# KiCad board Decent800-M.kicad_pcb
title: Decent800 keyboard; date: 2025-05-28; rev: 3M
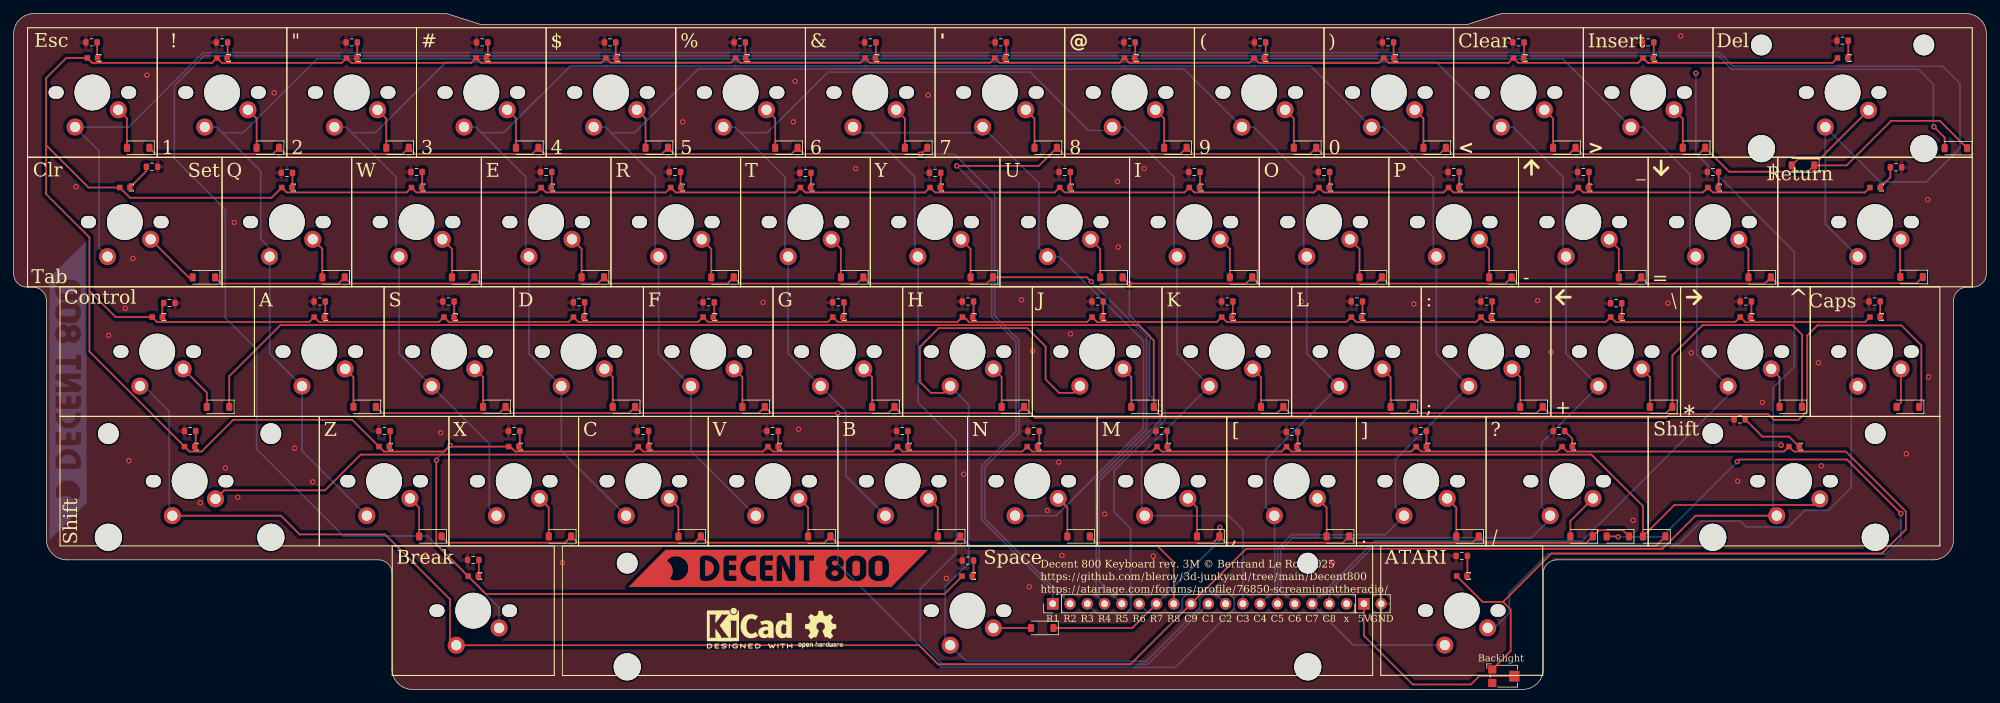
[diagram p0: board, top side]
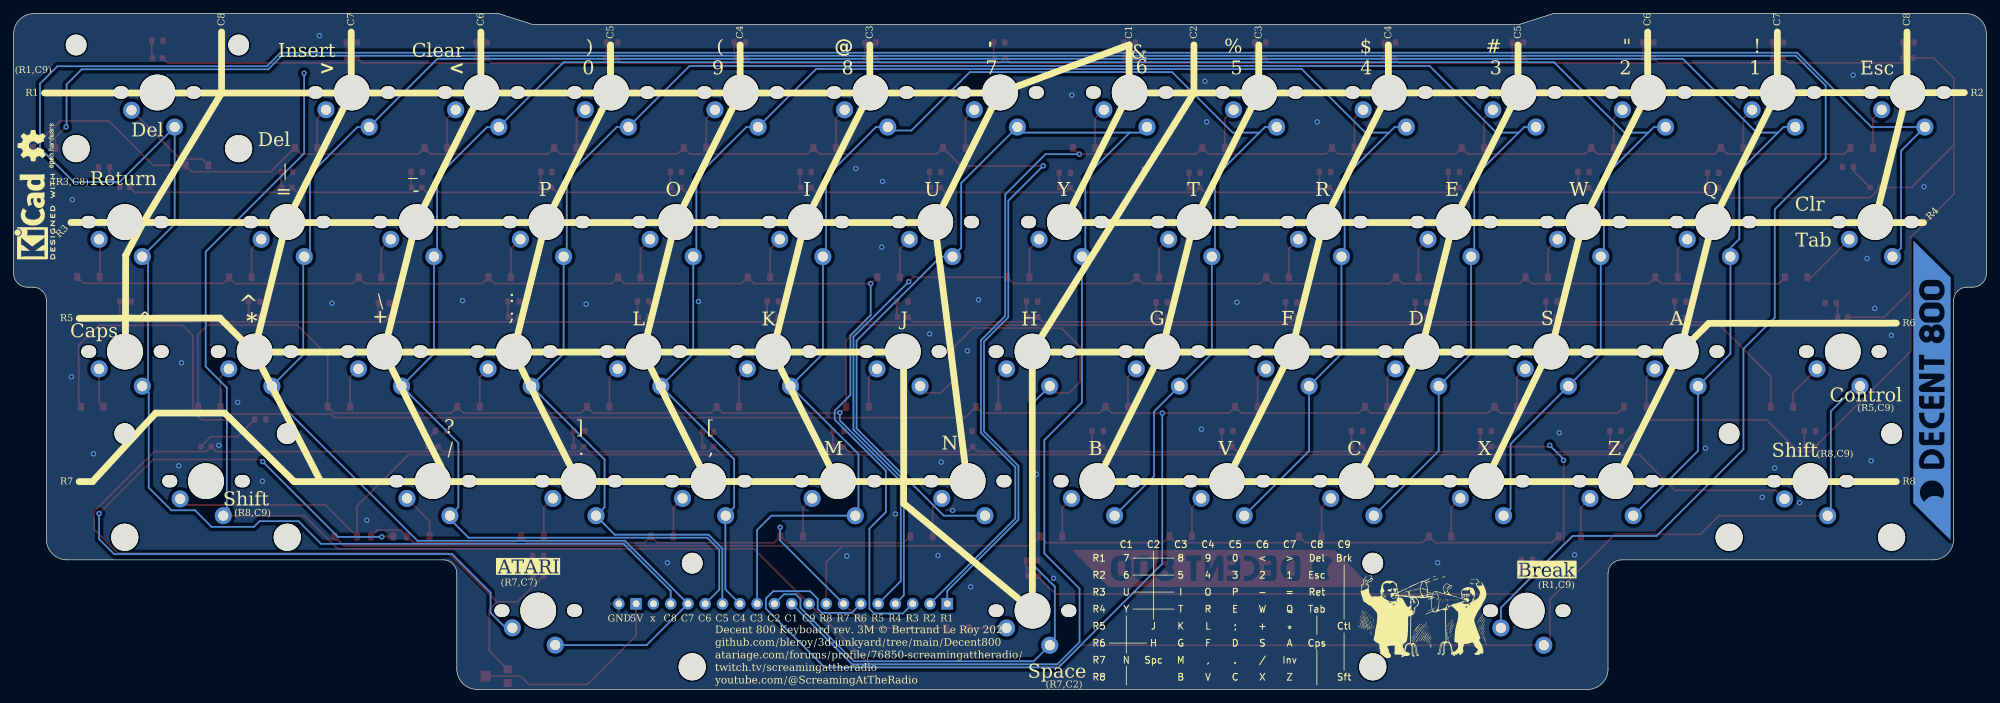
[diagram p1: board, bottom side, seen from below]

Outline 289.88 x 99.38 mm; copper layers: Top, Bottom. Coordinates in mm from the lower left corner of the outline.
Outline path: 0,96.38 0,61.15 arc(0.59,59.74) 2,59.15 2.83,59.15 arc(4.24,58.56) 4.83,57.15 4.83,22.05 arc(5.7,19.93) 7.83,19.05 53.59,19.05 arc(55.01,18.46) 55.59,17.05 55.59,3 arc(56.47,0.88) 58.59,0 221.76,0 arc(223.88,0.88) 224.76,3 224.76,17.05 arc(225.34,18.46) 226.76,19.05 282.05,19.05 arc(284.17,19.93) 285.05,22.05 285.05,57.15 arc(285.64,58.56) 287.05,59.15 287.88,59.15 arc(289.29,59.74) 289.88,61.15 289.88,96.38 arc(289,98.5) 286.88,99.38 218.59,99.38 213.59,97.78 68.65,97.78 63.65,99.38 3,99.38 arc(0.88,98.5) 0,96.38

## Placement (name value [footprint] x y rotation side)
D1  1N4148W  [D_SOD-123]  285.39 79.6 180 top
D2  1N4148W  [D_SOD-123]  30.04 41.55 180 top
D3  1N4148W  [D_SOD-123]  241.07 22.5 180 top
D5  1N4148W  [D_SOD-123]  151.66 79.65 180 top
D6  1N4148W  [D_SOD-123]  132.61 79.65 180 top
D7  1N4148W  [D_SOD-123]  161.31 60.6 180 top
D8  1N4148W  [D_SOD-123]  142.26 60.6 180 top
D10  1N4148W  [D_SOD-123]  156.48 22.5 180 top
D12  1N4148W  [D_SOD-123]  165.88 41.55 180 top
D13  1N4148W  [D_SOD-123]  146.83 41.55 180 top
D14  1N4148W  [D_SOD-123]  151.15 9.04 180 top
D15  1N4148W  [D_SOD-123]  170.71 79.65 180 top
D16  1N4148W  [D_SOD-123]  113.56 79.65 180 top
D17  1N4148W  [D_SOD-123]  180.36 60.6 180 top
D18  1N4148W  [D_SOD-123]  123.21 60.6 180 top
D19  1N4148W  [D_SOD-123]  184.93 41.55 180 top
D20  1N4148W  [D_SOD-123]  127.78 41.55 180 top
D21  1N4148W  [D_SOD-123]  175.53 22.5 180 top
D22  1N4148W  [D_SOD-123]  137.43 22.5 180 top
D24  1N4148W  [D_SOD-123]  189.76 79.65 180 top
D25  1N4148W  [D_SOD-123]  94.51 79.65 180 top
D26  1N4148W  [D_SOD-123]  199.41 60.6 180 top
D27  1N4148W  [D_SOD-123]  104.16 60.6 180 top
D28  1N4148W  [D_SOD-123]  203.98 41.55 180 top
D29  1N4148W  [D_SOD-123]  108.73 41.55 180 top
D30  1N4148W  [D_SOD-123]  194.58 22.5 180 top
D31  1N4148W  [D_SOD-123]  118.38 22.5 180 top
D32  1N4148W  [D_SOD-123]  208.81 79.65 180 top
D33  1N4148W  [D_SOD-123]  75.46 79.65 180 top
D34  1N4148W  [D_SOD-123]  218.46 60.6 180 top
D35  1N4148W  [D_SOD-123]  85.11 60.6 180 top
D36  1N4148W  [D_SOD-123]  223.03 41.55 180 top
D37  1N4148W  [D_SOD-123]  89.68 41.55 180 top
D38  1N4148W  [D_SOD-123]  213.63 22.5 180 top
D39  1N4148W  [D_SOD-123]  99.33 22.5 180 top
D41  1N4148W  [D_SOD-123]  227.86 79.65 180 top
D42  1N4148W  [D_SOD-123]  56.41 79.65 180 top
D43  1N4148W  [D_SOD-123]  237.51 60.6 180 top
D44  1N4148W  [D_SOD-123]  66.06 60.6 180 top
D45  1N4148W  [D_SOD-123]  242.08 41.55 180 top
D46  1N4148W  [D_SOD-123]  70.63 41.55 180 top
D47  1N4148W  [D_SOD-123]  230.4 22.5 180 top
D48  1N4148W  [D_SOD-123]  80.28 22.5 180 top
D49  1N4148W  [D_SOD-123]  246.91 79.65 180 top
D50  1N4148W  [D_SOD-123]  37.36 79.65 180 top
D51  1N4148W  [D_SOD-123]  256.56 60.6 180 top
D52  1N4148W  [D_SOD-123]  47.01 60.6 180 top
D53  1N4148W  [D_SOD-123]  261.13 41.55 180 top
D54  1N4148W  [D_SOD-123]  51.58 41.55 180 top
D55  1N4148W  [D_SOD-123]  235.73 22.5 180 top
D56  1N4148W  [D_SOD-123]  61.23 22.5 180 top
D57  1N4148W  [D_SOD-123]  262.94 77.06 180 top
D58  1N4148W  [D_SOD-123]  18.31 79.65 180 top
D59  1N4148W  [D_SOD-123]  278.88 60.65 180 top
D60  1N4148W  [D_SOD-123]  27.96 60.6 180 top
D62  1N4148W  [D_SOD-123]  278.34 41.55 180 top
Decent800  -  [LOGO]  112.33 17.8 0 top
Decent800#2  -  [LOGO]  8 43.94 90 bottom
J1  Conn_01x02_Pin  [PinHeader_1x02_P2.54mm_Vertical]  198.41 12.59 90 top
J2  Conn_01x18  [PinHeader_1x18_P2.54mm_Vertical]  152.69 12.59 90 top
R2  100  [R_0603_1608Metric]  67.54 19.04 180 top
R3  100  [R_0603_1608Metric]  22.89 56.82 0 top
R4  100  [R_0603_1608Metric]  25.93 37.99 180 top
R5  100  [R_0603_1608Metric]  253.62 39.7 180 top
R6  100  [R_0603_1608Metric]  268.75 95.4 180 top
R7  100  [R_0603_1608Metric]  145.05 95.14 180 top
R8  100  [R_0603_1608Metric]  125.88 95.14 180 top
R9  100  [R_0603_1608Metric]  154.45 76.09 180 top
R10  100  [R_0603_1608Metric]  135.4 75.97 180 top
R11  100  [R_0603_1608Metric]  212.79 19.63 180 top
R12  100  [R_0603_1608Metric]  149.88 37.99 180 top
R14  100  [R_0603_1608Metric]  159.28 57.04 180 top
R15  100  [R_0603_1608Metric]  140.23 57.04 180 top
R16  100  [R_0603_1608Metric]  140.23 18.94 180 top
R17  100  [R_0603_1608Metric]  163.98 95.14 180 top
R18  100  [R_0603_1608Metric]  106.7 95.14 180 top
R19  100  [R_0603_1608Metric]  173.5 76.09 180 top
R20  100  [R_0603_1608Metric]  116.35 75.97 180 top
R21  100  [R_0603_1608Metric]  178.33 57.04 180 top
R22  100  [R_0603_1608Metric]  121.18 56.91 180 top
R23  100  [R_0603_1608Metric]  168.68 37.99 180 top
R24  100  [R_0603_1608Metric]  130.58 37.99 180 top
R25  100  [R_0603_1608Metric]  183.15 95.14 180 top
R26  100  [R_0603_1608Metric]  87.65 95.14 180 top
R27  100  [R_0603_1608Metric]  192.55 76.09 180 top
R28  100  [R_0603_1608Metric]  97.18 76.09 180 top
R29  100  [R_0603_1608Metric]  197.38 57.04 180 top
R30  100  [R_0603_1608Metric]  102.13 56.91 180 top
R31  100  [R_0603_1608Metric]  187.85 37.86 180 top
R32  100  [R_0603_1608Metric]  111.53 37.99 180 top
R33  100  [R_0603_1608Metric]  201.95 95.14 180 top
R34  100  [R_0603_1608Metric]  68.85 95.14 180 top
R35  100  [R_0603_1608Metric]  211.6 76.09 180 top
R36  100  [R_0603_1608Metric]  78.25 76.09 180 top
R37  100  [R_0603_1608Metric]  216.43 57.04 180 top
R38  100  [R_0603_1608Metric]  83.08 56.91 180 top
R39  100  [R_0603_1608Metric]  206.78 37.99 180 top
R40  100  [R_0603_1608Metric]  92.48 37.99 180 top
R42  100  [R_0603_1608Metric]  221.13 95.14 180 top
R43  100  [R_0603_1608Metric]  49.68 95.14 180 top
R44  100  [R_0603_1608Metric]  230.65 76.09 180 top
R45  100  [R_0603_1608Metric]  59.2 76.09 180 top
R46  100  [R_0603_1608Metric]  235.48 56.79 180 top
R47  100  [R_0603_1608Metric]  63.9 57.04 180 top
R48  100  [R_0603_1608Metric]  227.08 37.99 180 top
R49  100  [R_0603_1608Metric]  73.55 37.99 180 top
R50  100  [R_0603_1608Metric]  240.18 95.14 180 top
R51  100  [R_0603_1608Metric]  30.63 95.14 180 top
R52  100  [R_0603_1608Metric]  249.7 76.09 180 top
R53  100  [R_0603_1608Metric]  40.15 75.97 180 top
R54  100  [R_0603_1608Metric]  254.53 57.04 180 top
R55  100  [R_0603_1608Metric]  44.98 57.04 180 top
R57  100  [R_0603_1608Metric]  54.5 37.99 180 top
R60  100  [R_0603_1608Metric]  11.45 95.14 180 top
R61  100  [R_0603_1608Metric]  276.6 76.78 0 top
R62  100  [R_0603_1608Metric]  20.34 76.85 0 top
R64  100  [R_0603_1608Metric]  273.45 57.04 180 top
REF**  -  [Arrow]  242.08 76.73 270 top
REF**#2  -  [KiCad-Logo2_5mm_SilkScreen]  108.15 9.01 0 top
REF**#3  -  [OSHW-Logo2_7.3x6mm_SilkScreen]  118.59 8.78 0 top
REF**#4  -  [Arrow]  227.73 57.68 180 top
REF**#5  -  [Arrow]  223.03 76.73 90 top
REF**#6  -  [Arrow]  246.91 57.68 0 top
REF**#7  -  [OSHW-Logo2_7.3x6mm_SilkScreen]  286.54 79.97 90 bottom
REF**#8  -  [Atari800_Matrix]  112.16 10.81 180 bottom
REF**#9  -  [KiCad-Logo2_5mm_SilkScreen]  286.77 69.53 90 bottom
RV1  R_Potentiometer  [Potentiometer_Bourns_TC33X_Vertical]  219.07 1.95 0 top
ScreamingAtTheRadio  -  [LOGO]  82.94 10.68 180 bottom
SW0  blue  [1U-LED]  202.08 92.86 0 top
SW1  blue  [1U-LED]  30.63 92.86 0 top
SW2  blue  [1U-LED]  49.68 92.86 0 top
SW3  blue  [1U-LED]  68.73 92.86 0 top
SW4  blue  [1U-LED]  87.78 92.86 0 top
SW5  blue  [1U-LED]  106.83 92.86 0 top
SW6  blue  [1U-LED]  125.88 92.86 0 top
SW7  blue  [1U-LED]  144.93 92.86 0 top
SW8  blue  [1U-LED]  163.98 92.86 0 top
SW9  blue  [1U-LED]  183.03 92.86 0 top
SWA1  blue  [1U-LED]  44.91 54.76 0 top
SWAtari2  blue  [1-25U-LED]  212.79 16.68 0 top
SWB1  blue  [1U-LED]  130.64 35.71 0 top
SWBrk2  blue  [1-25U-LED]  67.54 16.66 0 top
SWC1  blue  [1U-LED]  92.54 35.71 0 top
SWComma1  blue  [1U-LED]  187.79 35.71 0 top
SWCps1  blue  [1U-LED]  273.51 54.76 0 top
SWCtl1  blue  [1-50U-LED]  21.1 54.76 0 top
SWD1  blue  [1U-LED]  83.01 54.76 0 top
SWDash1  blue  [1U-LED]  230.65 73.81 0 top
SWDel2  blue  [2-00U-LED]  268.75 92.86 0 top
SWE1  blue  [1U-LED]  78.25 73.81 0 top
SWEqual1  blue  [1U-LED]  249.7 73.81 0 top
SWEsc1  blue  [1U-LED]  11.58 92.86 0 top
SWF1  blue  [1U-LED]  102.06 54.76 0 top
SWG1  blue  [1U-LED]  121.11 54.76 0 top
SWGT1  blue  [1U-LED]  240.18 92.86 0 top
SWH1  blue  [1U-LED]  140.16 54.76 0 top
SWI1  blue  [1U-LED]  173.5 73.81 0 top
SWJ1  blue  [1U-LED]  159.21 54.76 0 top
SWK1  blue  [1U-LED]  178.26 54.76 0 top
SWL1  blue  [1U-LED]  197.31 54.76 0 top
SWLeftSft1  blue  [2-00U-LED]  25.86 35.71 0 top
SWLT1  blue  [1U-LED]  221.13 92.86 0 top
SWM1  blue  [1U-LED]  168.74 35.71 0 top
SWN1  blue  [1U-LED]  149.69 35.71 0 top
SWO1  blue  [1U-LED]  192.55 73.81 0 top
SWP1  blue  [1U-LED]  211.6 73.81 0 top
SWPeriod1  blue  [1U-LED]  206.84 35.71 0 top
SWPlus1  blue  [1U-LED]  235.41 54.76 0 top
SWQ1  blue  [1U-LED]  40.15 73.81 0 top
SWR1  blue  [1U-LED]  97.3 73.81 0 top
SWRet1  blue  [1-50U-LED]  273.51 73.81 0 top
SWRightSft1  blue  [2-25U-LED]  261.61 35.71 0 top
SWS1  blue  [1U-LED]  63.96 54.76 0 top
SWSemi1  blue  [1U-LED]  216.36 54.76 0 top
SWSlash1  blue  [1-25U-LED]  228.27 35.71 0 top
SWSpc1  blue  [6-25U-LED]  140.16 16.66 0 top
SWStar1  blue  [1U-LED]  254.46 54.76 0 top
SWT1  blue  [1U-LED]  116.35 73.81 0 top
SWTab1  blue  [1-50U-LED]  16.34 73.81 0 top
SWU1  blue  [1U-LED]  154.45 73.81 0 top
SWV1  blue  [1U-LED]  111.59 35.71 0 top
SWW1  blue  [1U-LED]  59.2 73.81 0 top
SWX1  blue  [1U-LED]  73.49 35.71 0 top
SWY1  blue  [1U-LED]  135.4 73.81 0 top
SWZ1  blue  [1U-LED]  54.44 35.71 0 top

## Library data of the parts
D1-D3 D5-D8 D10 D12-D22 D24-D39 D41-D60 D62 = -: Datasheet: https://www.vishay.com/docs/85748/1n4148w.pdf; JLCPCB Part #: C81598; ki_fp_filters: D*SOD?123*
J1 J2 = -: ki_fp_filters: Connector*:*_1x??_*
R2-R12 R14-R40 R42-R55 R57 R60-R62 R64 = -: JLCPCB Part #: C22775; ki_fp_filters: R_*
RV1 = -: JLCPCB Part #: C719174; JLCPCB Rotation Offset: 270; ki_fp_filters: Potentiometer*
SW0-SW9 SWA1 SWAtari2 SWB1 SWBrk2 SWC1 SWComma1 SWCps1 SWCtl1 SWD1 SWDash1 SWDel2 SWE1 SWEqual1 SWEsc1 SWF1 SWG1 SWGT1 SWH1 SWI1 SWJ1 SWK1 SWL1 SWLeftSft1 SWLT1 SWM1 SWN1 SWO1 SWP1 SWPeriod1 SWPlus1 SWQ1 SWR1 SWRet1 SWRightSft1 SWS1 SWSemi1 SWSlash1 SWSpc1 SWStar1 SWT1 SWTab1 SWU1 SWV1 SWW1 SWX1 SWY1 SWZ1 = -: JLCPCB Part #: C19171394; JLCPCB Rotation Offset: 180

## Footprints (pads in the part's own frame, mm; a bottom-side part is the same pattern mirrored in y, then rotated)
1-25U-LED
  oval 2.2x1.8 hole 2.2x1.8 unplated: (-5.33,-5.08) (5.33,-5.08)
  round 5.25 hole 5.25 unplated: (0,-5.08)
  round 2.5 hole 1.499: 1(-2.5,-10.16) 2(3.8,-7.62)
  rect 0.8x0.8 smd: 3(0.75,0) 4(-0.75,0)
1-50U-LED
  oval 2.2x1.8 hole 2.2x1.8 unplated: (-5.33,-5.08) (5.33,-5.08)
  round 5.25 hole 5.25 unplated: (0,-5.08)
  round 2.5 hole 1.499: 1(-2.54,-10.16) 2(3.8,-7.62)
  rect 0.8x0.8 smd: 3(0.75,0) 4(-0.75,0)
1U-LED
  oval 2.2x1.8 hole 2.2x1.8 unplated: (-5.33,-5.08) (5.33,-5.08)
  round 5.25 hole 5.25 unplated: (0,-5.08)
  round 2.5 hole 1.499: 1(-2.54,-10.16) 2(3.8,-7.62)
  rect 0.8x0.8 smd: 3(0.75,0) 4(-0.75,0)
2-00U-LED
  round 3.048 hole 3.048 unplated: (-11.938,1.905) (11.938,1.905)
  round 3.988 hole 3.988 unplated: (-11.938,-13.335) (11.938,-13.335)
  oval 2.2x1.8 hole 2.2x1.8 unplated: (-5.33,-5.08) (5.33,-5.08)
  round 5.25 hole 5.25 unplated: (0,-5.08)
  round 2.5 hole 1.499: 1(-2.54,-10.16) 2(3.8,-7.69)
  rect 0.8x0.8 smd: 3(0.75,0) 4(-0.75,0)
2-25U-LED
  round 3.048 hole 3.048 unplated: (-11.938,1.905) (11.938,1.905)
  round 3.988 hole 3.988 unplated: (-11.938,-13.335) (11.938,-13.335)
  oval 2.2x1.8 hole 2.2x1.8 unplated: (-5.33,-5.08) (5.33,-5.08)
  round 5.25 hole 5.25 unplated: (0,-5.08)
  round 2.5 hole 1.499: 1(-2.54,-10.16) 2(3.8,-7.69)
  rect 0.8x0.8 smd: 3(0.75,0) 4(-0.75,0)
6-25U-LED
  round 3.048 hole 3.048 unplated: (-50,1.905) (50,1.905)
  round 3.988 hole 3.988 unplated: (-50,-13.335) (50,-13.335)
  oval 2.2x1.8 hole 2.2x1.8 unplated: (-5.33,-5.08) (5.33,-5.08)
  round 5.25 hole 5.25 unplated: (0,-5.08)
  round 2.5 hole 1.499: 1(-2.54,-10.16) 2(3.8,-7.62)
  rect 0.8x0.8 smd: 3(0.686,0) 4(-0.814,0)
D_SOD-123
  rrect 0.9x1.2 smd: 1(-1.65,0) 2(1.65,0)
PinHeader_1x02_P2.54mm_Vertical
  rect 1.7x1.7 hole 1: 1(0,0)
  oval 1.7x1.7 hole 1: 2(0,-2.54)
PinHeader_1x18_P2.54mm_Vertical
  rect 1.7x1.7 hole 1: 1(0,0)
  oval 1.7x1.7 hole 1: 2(0,-2.54) 3(0,-5.08) 4(0,-7.62) 5(0,-10.16) 6(0,-12.7) 7(0,-15.24) 8(0,-17.78) 9(0,-20.32) 10(0,-22.86) 11(0,-25.4) 12(0,-27.94) 13(0,-30.48) 14(0,-33.02) 15(0,-35.56) 16(0,-38.1) 17(0,-40.64) 18(0,-43.18)
Potentiometer_Bourns_TC33X_Vertical
  rect 1.2x1.2 smd: 1(-1.8,1) 3(-1.8,-1)
  rect 1.5x1.6 smd: 2(1.45,0)
R_0603_1608Metric
  rrect 0.8x0.95 smd: 1(-0.825,0) 2(0.825,0)

## Nets
5V: J1.1 RV1.2
VCC_LED: RV1.1 SW0.4 SW1.4 SW2.4 SW3.4 SW4.4 SW5.4 SW6.4 SW7.4 SW8.4 SW9.4 SWA1.4 SWAtari2.4 SWB1.4 SWBrk2.4 SWC1.4 SWComma1.4 SWCps1.4 SWCtl1.4 SWD1.4 SWDash1.4 SWDel2.4 SWE1.4 SWEqual1.4 SWEsc1.4 SWF1.4 SWG1.4 SWGT1.4 SWH1.4 SWI1.4 SWJ1.4 SWK1.4 SWL1.4 SWLeftSft1.4 SWLT1.4 SWM1.4 SWN1.4 SWO1.4 SWP1.4 SWPeriod1.4 SWPlus1.4 SWQ1.4 SWR1.4 SWRet1.4 SWRightSft1.4 SWS1.4 SWSemi1.4 SWSlash1.4 SWSpc1.4 SWStar1.4 SWT1.4 SWTab1.4 SWU1.4 SWV1.4 SWW1.4 SWX1.4 SWY1.4 SWZ1.4
COL_1: J2.10 SW6.1 SW7.1 SWN1.1 SWU1.1 SWY1.1
COL_2: J2.11 SWH1.1 SWJ1.1 SWSpc1.1
COL_3: J2.12 SW5.1 SW8.1 SWB1.1 SWG1.1 SWI1.1 SWK1.1 SWM1.1 SWT1.1
COL_4: J2.13 SW4.1 SW9.1 SWComma1.1 SWF1.1 SWL1.1 SWO1.1 SWR1.1 SWV1.1
COL_5: J2.14 SW0.1 SW3.1 SWC1.1 SWD1.1 SWE1.1 SWP1.1 SWPeriod1.1 SWSemi1.1
COL_6: J2.15 SW2.1 SWDash1.1 SWLT1.1 SWPlus1.1 SWS1.1 SWSlash1.1 SWW1.1 SWX1.1
COL_7: J2.16 SW1.1 SWA1.1 SWAtari2.1 SWEqual1.1 SWGT1.1 SWQ1.1 SWStar1.1 SWZ1.1
COL_8: J2.17 SWCps1.1 SWDel2.1 SWEsc1.1 SWRet1.1 SWTab1.1
COL_9: J2.9 SWBrk2.1 SWCtl1.1 SWLeftSft1.1 SWRightSft1.1
LED_GND: J1.2 R2.2 R3.2 R4.2 R5.2 R6.2 R7.2 R8.2 R9.2 R10.2 R11.2 R12.2 R14.2 R15.2 R16.2 R17.2 R18.2 R19.2 R20.2 R21.2 R22.2 R23.2 R24.2 R25.2 R26.2 R27.2 R28.2 R29.2 R30.2 R31.2 R32.2 R33.2 R34.2 R35.2 R36.2 R37.2 R38.2 R39.2 R40.2 R42.2 R43.2 R44.2 R45.2 R46.2 R47.2 R48.2 R49.2 R50.2 R51.2 R52.2 R53.2 R54.2 R55.2 R57.2 R60.2 R61.2 R62.2 R64.2
ROW_1: D1.1 D5.1 D15.1 D24.1 D32.1 D41.1 D49.1 D57.1 J2.1
ROW_2: D6.1 D16.1 D25.1 D33.1 D42.1 D50.1 D58.1 J2.2
ROW_3: D7.1 D17.1 D26.1 D34.1 D43.1 D51.1 D59.1 J2.3
ROW_4: D8.1 D18.1 D27.1 D35.1 D44.1 D52.1 D60.1 J2.4
ROW_5: D2.1 D12.1 D19.1 D28.1 D36.1 D45.1 D53.1 J2.5
ROW_6: D13.1 D20.1 D29.1 D37.1 D46.1 D54.1 D62.1 J2.6
ROW_7: D10.1 D14.1 D21.1 D30.1 D38.1 D47.1 D55.1 J2.7
ROW_8: D3.1 D22.1 D31.1 D39.1 D48.1 D56.1 J2.8
Net-(D1-A): D1.2 SWBrk2.2
Net-(D2-A): D2.2 SWCtl1.2
Net-(D3-A): D3.2 SWLeftSft1.2 SWRightSft1.2
Net-(D5-A): D5.2 SW7.2
Net-(D6-A): D6.2 SW6.2
Net-(D7-A): D7.2 SWU1.2
Net-(D8-A): D8.2 SWY1.2
Net-(D10-A): D10.2 SWN1.2
Net-(D12-A): D12.2 SWJ1.2
Net-(D13-A): D13.2 SWH1.2
Net-(D14-A): D14.2 SWSpc1.2
Net-(D15-A): D15.2 SW8.2
Net-(D16-A): D16.2 SW5.2
Net-(D17-A): D17.2 SWI1.2
Net-(D18-A): D18.2 SWT1.2
Net-(D19-A): D19.2 SWK1.2
Net-(D20-A): D20.2 SWG1.2
Net-(D21-A): D21.2 SWM1.2
Net-(D22-A): D22.2 SWB1.2
Net-(D24-A): D24.2 SW9.2
Net-(D25-A): D25.2 SW4.2
Net-(D26-A): D26.2 SWO1.2
Net-(D27-A): D27.2 SWR1.2
Net-(D28-A): D28.2 SWL1.2
Net-(D29-A): D29.2 SWF1.2
Net-(D30-A): D30.2 SWComma1.2
Net-(D31-A): D31.2 SWV1.2
Net-(D32-A): D32.2 SW0.2
Net-(D33-A): D33.2 SW3.2
Net-(D34-A): D34.2 SWP1.2
Net-(D35-A): D35.2 SWE1.2
Net-(D36-A): D36.2 SWSemi1.2
Net-(D37-A): D37.2 SWD1.2
Net-(D38-A): D38.2 SWPeriod1.2
Net-(D39-A): D39.2 SWC1.2
Net-(D41-A): D41.2 SWLT1.2
Net-(D42-A): D42.2 SW2.2
Net-(D43-A): D43.2 SWDash1.2
Net-(D44-A): D44.2 SWW1.2
Net-(D45-A): D45.2 SWPlus1.2
Net-(D46-A): D46.2 SWS1.2
Net-(D47-A): D47.2 SWSlash1.2
Net-(D48-A): D48.2 SWX1.2
Net-(D49-A): D49.2 SWGT1.2
Net-(D50-A): D50.2 SW1.2
Net-(D51-A): D51.2 SWEqual1.2
Net-(D52-A): D52.2 SWQ1.2
Net-(D53-A): D53.2 SWStar1.2
Net-(D54-A): D54.2 SWA1.2
Net-(D55-A): D55.2 SWAtari2.2
Net-(D56-A): D56.2 SWZ1.2
Net-(D57-A): D57.2 SWDel2.2
Net-(D58-A): D58.2 SWEsc1.2
Net-(D59-A): D59.2 SWRet1.2
Net-(D60-A): D60.2 SWTab1.2
Net-(D62-A): D62.2 SWCps1.2
Net-(R2-Pad1): R2.1 SWBrk2.3
Net-(R3-Pad1): R3.1 SWCtl1.3
Net-(R4-Pad1): R4.1 SWLeftSft1.3
Net-(R5-Pad1): R5.1 SWRightSft1.3
Net-(R6-Pad1): R6.1 SWDel2.3
Net-(R7-Pad1): R7.1 SW7.3
Net-(R8-Pad1): R8.1 SW6.3
Net-(R9-Pad1): R9.1 SWU1.3
Net-(R10-Pad1): R10.1 SWY1.3
Net-(R11-Pad1): R11.1 SWAtari2.3
Net-(R12-Pad1): R12.1 SWN1.3
Net-(R14-Pad1): R14.1 SWJ1.3
Net-(R15-Pad1): R15.1 SWH1.3
Net-(R16-Pad1): R16.1 SWSpc1.3
Net-(R17-Pad1): R17.1 SW8.3
Net-(R18-Pad1): R18.1 SW5.3
Net-(R19-Pad1): R19.1 SWI1.3
Net-(R20-Pad1): R20.1 SWT1.3
Net-(R21-Pad1): R21.1 SWK1.3
Net-(R22-Pad1): R22.1 SWG1.3
Net-(R23-Pad1): R23.1 SWM1.3
Net-(R24-Pad1): R24.1 SWB1.3
Net-(R25-Pad1): R25.1 SW9.3
Net-(R26-Pad1): R26.1 SW4.3
Net-(R27-Pad1): R27.1 SWO1.3
Net-(R28-Pad1): R28.1 SWR1.3
Net-(R29-Pad1): R29.1 SWL1.3
Net-(R30-Pad1): R30.1 SWF1.3
Net-(R31-Pad1): R31.1 SWComma1.3
Net-(R32-Pad1): R32.1 SWV1.3
Net-(R33-Pad1): R33.1 SW0.3
Net-(R34-Pad1): R34.1 SW3.3
Net-(R35-Pad1): R35.1 SWP1.3
Net-(R36-Pad1): R36.1 SWE1.3
Net-(R37-Pad1): R37.1 SWSemi1.3
Net-(R38-Pad1): R38.1 SWD1.3
Net-(R39-Pad1): R39.1 SWPeriod1.3
Net-(R40-Pad1): R40.1 SWC1.3
Net-(R42-Pad1): R42.1 SWLT1.3
Net-(R43-Pad1): R43.1 SW2.3
Net-(R44-Pad1): R44.1 SWDash1.3
Net-(R45-Pad1): R45.1 SWW1.3
Net-(R46-Pad1): R46.1 SWPlus1.3
Net-(R47-Pad1): R47.1 SWS1.3
Net-(R48-Pad1): R48.1 SWSlash1.3
Net-(R49-Pad1): R49.1 SWX1.3
Net-(R50-Pad1): R50.1 SWGT1.3
Net-(R51-Pad1): R51.1 SW1.3
Net-(R52-Pad1): R52.1 SWEqual1.3
Net-(R53-Pad1): R53.1 SWQ1.3
Net-(R54-Pad1): R54.1 SWStar1.3
Net-(R55-Pad1): R55.1 SWA1.3
Net-(R57-Pad1): R57.1 SWZ1.3
Net-(R60-Pad1): R60.1 SWEsc1.3
Net-(R61-Pad1): R61.1 SWRet1.3
Net-(R62-Pad1): R62.1 SWTab1.3
Net-(R64-Pad1): R64.1 SWCps1.3

Pads without a net: J2 18; RV1 3

## Via types
v1: diameter 0.8, hole 0.4, Top to Bottom, 68 vias

## Routing (per net, layer and track width the routed paths; a pad name or vN(x,y) marks a point on that pad's centre or on a via; arc(x,y) is an arc through that point)
5V: length 30.3
  Top w0.25: J1.1 198.41,7.9 205.59,0.73 214.13,0.73 215.35,1.95 RV1.2
VCC_LED: length 1334.3
  Top w0.25: 11.14,58.61 11.14,66.47 4.77,72.84 4.77,80.04 ; 11.14,58.61 14.99,54.76 SWCtl1.4 21.08,54.03 43.44,54.03 SWA1.4 44.89,54.03 62.49,54.03 SWS1.4 63.94,54.03 81.54,54.03 SWD1.4 82.99,54.03 100.59,54.03 SWF1.4 102.04,54.03 119.64,54.03 SWG1.4 121.09,54.03 138.69,54.03 SWH1.4 ; 11.14,58.61 11.14,49.68 SWLeftSft1.4 25.84,34.98 27.62,34.98 32.28,39.64 49.75,39.64 SWZ1.4 54.41,34.98 63.25,34.98 v1(64.16,35.89) 64.34,35.71 SWX1.4 ; 139.41,16.66 136.79,14.04 69.41,14.04 SWBrk2.4 62.11,21.33 62.11,33.66 v1(62.14,33.69) ; SWSlash1.4 228.25,34.98 260.13,34.98 SWRightSft1.4 261.58,34.98 269.22,34.98 278.04,26.16 278.04,23.51 274.53,20 225.98,20 218.85,12.87 ; RV1.1 219.98,5.66 219.98,11.75 218.85,12.87 ; 218.85,12.87 215.85,12.87 SWAtari2.4 ; 227.45,35.71 227.45,35.64 226.79,34.98 206.82,34.98 SWPeriod1.4 205.36,34.98 187.76,34.98 SWComma1.4 186.31,34.98 168.71,34.98 SWM1.4 167.26,34.98 149.66,34.98 SWN1.4 148.21,34.98 130.61,34.98 SWB1.4 129.16,34.98 111.56,34.98 SWV1.4 110.11,34.98 92.51,34.98 SWC1.4 91.06,34.98 73.7,34.98 72.98,35.71 ; 4.77,80.04 11,73.81 SWTab1.4 17.1,72.3 37.89,72.3 SWQ1.4 40.13,73.08 57.73,73.08 SWW1.4 59.18,73.08 76.78,73.08 SWE1.4 78.23,73.08 95.83,73.08 SWR1.4 97.28,73.08 114.88,73.08 SWT1.4 116.33,73.08 133.93,73.08 SWY1.4 135.38,73.08 152.98,73.08 SWU1.4 154.43,73.08 172.03,73.08 SWI1.4 173.48,73.08 191.08,73.08 SWO1.4 192.53,73.08 210.13,73.08 SWP1.4 211.58,73.08 229.18,73.08 SWDash1.4 230.63,73.08 248.23,73.08 SWEqual1.4 249.68,73.08 272.04,73.08 SWRet1.4 ; 4.77,80.04 4.77,89.88 7.75,92.86 SWEsc1.4 11.55,92.13 29.15,92.13 SW1.4 30.6,92.13 48.2,92.13 SW2.4 49.65,92.13 67.25,92.13 SW3.4 68.7,92.13 86.3,92.13 SW4.4 87.75,92.13 105.35,92.13 SW5.4 106.8,92.13 124.4,92.13 SW6.4 125.85,92.13 143.45,92.13 SW7.4 144.9,92.13 162.5,92.13 SW8.4 163.95,92.13 181.55,92.13 SW9.4 183.04,92.09 200.56,92.09 SW0.4 202.05,92.13 219.65,92.13 SWLT1.4 221.1,92.13 238.7,92.13 SWGT1.4 240.15,92.13 267.28,92.13 SWDel2.4 ; SWCps1.4 272.04,54.03 254.44,54.03 SWStar1.4 252.99,54.03 235.39,54.03 SWPlus1.4 233.94,54.03 216.34,54.03 SWSemi1.4 214.89,54.03 197.29,54.03 SWL1.4 195.84,54.03 178.24,54.03 SWK1.4 176.79,54.03 159.19,54.03 SWJ1.4 157.74,54.03 140.38,54.03 139.65,54.76
  Bottom w0.25: v1(62.14,33.69) 62.14,33.87 v1(64.16,35.89)
COL_1: length 226.8
  Bottom w0.25: 125.88,81.88 141.61,81.88 ; 125.88,81.88 124.16,81.88 SW6.1 ; 125.88,81.88 132.4,75.35 132.4,64.15 ; SW7.1 150.64,74.44 150.64,64.92 SWU1.1 153.63,63.65 166.02,51.26 166.02,38.37 153.19,25.55 SWN1.1 ; J2.10 166.64,3.69 136.52,3.69 133.25,6.96 133.25,14.81 138.43,19.99 138.43,36.66 132.9,42.18 132.9,63.65
COL_2: length 130.4
  Top w0.25: 156.71,44.6 155.73,43.61 153.61,43.61 151.64,45.59 151.64,50.43 148.94,53.13 135.93,53.13 133.18,50.38 133.18,45.22 134.78,43.61 136.68,43.61 137.66,44.6
  Bottom w0.25: 137.62,44.6 140.32,41.9 140.32,18.55 136.89,15.12 136.89,7.23 139.98,4.14 166.4,4.14 174.26,11.99 174.26,13.32 174.93,13.98 176.7,13.98 J2.11
COL_3: length 222.6
  Bottom w0.25: 106.85,81.85 106.83,81.88 110.75,81.88 119.65,90.78 149.37,90.78 157.96,82.19 160.97,82.19 ; 106.85,81.85 106.01,82.7 SW5.1 ; 106.85,81.85 113.35,75.35 113.35,64.15 ; J2.12 180.63,23.45 178.53,25.55 SWM1.1 165.74,26.01 165.74,34.61 SWK1.1 170.96,49.36 SWI1.1 ; 170.5,64.15 170.5,75.35 163.16,82.7 SW8.1 ; SWB1.1 122.31,31.34 122.31,40.87 SWG1.1 113.81,49.36 SWT1.1
COL_4: length 249.6
  Bottom w0.25: 189.55,64.15 189.55,75.35 182.21,82.7 SW9.1 171.96,91.23 100.6,91.23 91.25,81.88 87.78,81.88 ; 87.78,81.88 94.3,75.35 94.3,64.15 ; 87.78,81.88 86.96,82.7 SW4.1 ; SWO1.1 190.01,49.36 SWL1.1 184,33.82 184,26.8 SWComma1.1 ; SWV1.1 99.52,35.07 SWF1.1 94.76,49.36 SWR1.1 ; 185.29,25.55 185.29,14.71 J2.13
COL_5: length 303
  Bottom w0.25: 68.73,81.88 75.25,75.35 75.25,64.15 ; 68.73,81.88 67.91,82.7 SW3.1 ; 68.73,81.88 72.01,81.88 81.81,91.68 190.56,91.68 SW0.1 201.26,82.7 208.6,75.35 208.6,64.15 ; SWP1.1 209.06,49.36 SWSemi1.1 203.05,33.82 203.05,26.8 SWPeriod1.1 ; SWE1.1 75.71,49.36 SWD1.1 80.47,35.07 SWC1.1 ; 204.34,25.55 201.55,22.76 187.78,22.76 185.74,20.72 185.74,12.62
COL_6: length 362.2
  Bottom w0.25: SW2.1 48.86,82.7 49.68,81.88 ; 49.68,81.88 53.18,81.88 63.52,92.22 209.06,92.22 SWLT1.1 220.31,82.7 227.65,75.35 227.65,64.15 ; 49.68,81.88 56.2,75.35 56.2,64.15 ; SWSlash1.1 224.52,26.8 224.52,36.24 SWPlus1.1 228.11,49.36 SWDash1.1 ; J2.15 186.19,14.65 186.19,20.53 187.96,22.31 223.02,22.31 225.82,25.11 ; SWX1.1 69.92,26.58 69.92,36.1 SWS1.1 56.66,49.36 SWW1.1
COL_7: length 423.5
  Bottom w0.25: 30.63,81.88 33.74,81.88 44.6,92.73 227.6,92.73 SWGT1.1 239.36,82.7 246.33,75.73 246.33,64.52 ; 30.63,81.88 36.3,76.21 36.3,66.23 37.65,64.88 ; 30.63,81.88 29.81,82.7 SW1.1 ; SWEqual1.1 247.32,63.49 247.32,49.2 SWStar1.1 251.92,43.25 230.54,21.86 200.05,21.86 J2.16 196.87,6.52 SWAtari2.1 ; SWQ1.1 37.61,49.36 42.37,44.6 42.37,35.07 SWZ1.1
COL_8: length 479.5
  Bottom w0.25: 270.12,45.49 270.12,62.87 270.9,63.65 ; 270.97,63.65 266.21,68.41 SWDel2.1 274.28,74.63 281.04,74.63 286,79.59 286,89.08 283.44,91.64 252.64,91.64 250.65,93.63 27.82,93.63 16.89,82.7 SWEsc1.1 12.55,79.18 12.55,64.9 SWTab1.1 ; 271.01,44.6 270.03,43.61 270.03,29.69 266.68,26.34 263.22,26.34 260.79,23.91 254.57,23.91 253.73,24.74 248.02,24.74 244.69,21.41 200.24,21.41 193.33,14.5 J2.17
COL_9: length 350.8
  Top w0.25: SWLeftSft1.1 39.28,25.55 42.04,22.79 ; 42.03,22.79 42.04,22.79 ; 42.04,22.79 54.59,22.79 64.13,13.25 64.13,7.41 SWBrk2.1 133.03,6.5 135.84,3.69 164.1,3.69 J2.9 181.09,20.67 242.27,20.67 242.33,20.73 242.34,20.73 247.15,25.55 SWRightSft1.1
  Bottom w0.25: 259.11,25.55 258.21,26.45 258.55,26.79 258.55,44.37 261.66,47.48 261.66,64.36 247.19,78.83 v1(247.19,90.61) ; 22.86,26.05 22.86,40.89 19.16,44.6 SWCtl1.1
LED_GND:
  vias: v1(9.16,73.93) v1(13.96,52.06) v1(16.4,56.03) v1(16.93,33.62) v1(17.53,63.37) v1(19.58,90.32) v1(27.45,27.46) v1(31.12,32.54) v1(32.44,68.67) v1(32.93,28.26) v1(38.28,87.74) v1(41.28,35.47) v1(43.94,30.53) v1(60.52,19.79) v1(62.76,37.74) v1(80.64,18.64) v1(98.32,83.46) v1(110.13,56.91) v1(114.57,83.46) v1(114.83,89.43) v1(115.34,38.25) v1(123.72,76.6) v1(134.39,87.39) v1(137.08,16.34) v1(139.59,31.64) v1(148.1,57.3) v1(149.25,15.1) v1(149.73,49.79) v1(151.91,26.31) v1(153.56,33.42) v1(154.05,19.7) v1(155.29,52.28) v1(160.29,25.8) v1(162.2,74.69) v1(162.33,65.04) v1(166.14,76.6) v1(167.46,19.6) v1(189.25,57.04) v1(193.81,18.64) v1(205.76,56.66) v1(223.92,57.17) v1(225.92,49.6) v1(237.99,24.87) v1(243.1,56.79) v1(244.94,96.13) v1(246.52,49.5) v1(253.32,30.62) v1(256.96,42.21) v1(259.72,35.9) v1(265.21,48.04) v1(265.62,32.89) v1(278.14,34.65) v1(281.25,72.02) v1(281.38,45.97)
ROW_1: length 234
  Top w0.25: D1.1 283.03,83.61 275.9,83.61 269.35,77.06 D57.1 263.66,76.13 252.07,76.13 D49.1 247.63,78.72 230.43,78.72 D41.1 228.58,78.72 211.38,78.72 D32.1 209.53,78.72 192.33,78.72 D24.1 190.48,78.72 173.28,78.72 D15.1 171.43,78.72 154.23,78.72 D5.1 150.65,76.99 v1(138.59,76.99)
  Bottom w0.25: v1(138.59,76.99) 143.72,71.86 143.72,54.72 147.29,51.15 147.29,37.92 142.23,32.87 142.23,24.95 152.69,14.5 J2.1
ROW_2: length 201.2
  Top w0.25: D58.1 20.88,78.72 38.08,78.72 D50.1 39.93,78.72 57.13,78.72 D42.1 58.98,78.72 76.18,78.72 D33.1 78.03,78.72 95.23,78.72 D25.1 97.08,78.72 114.28,78.72 D16.1 116.13,78.72 133.33,78.72 D6.1
  Bottom w0.25: J2.2 142.68,25.14 142.68,32.68 147.76,37.76 147.74,37.79 147.74,51.34 144.17,54.91 144.17,72.79 138.25,78.71 v1(133.27,78.71)
ROW_3: length 183.5
  Top w0.25: D7.1 163.88,59.67 181.08,59.67 D17.1 182.94,59.67 200.13,59.67 D26.1 201.98,59.67 219.19,59.67 D34.1 221.03,59.67 238.23,59.67 D43.1 240.09,59.67 257.29,59.67 D51.1 259.09,59.72 279.61,59.72 280.53,60.65
  Bottom w0.25: v1(163.94,59.68) 163.94,55.05 166.92,52.06 166.92,43.28 169.23,40.97 169.23,39.68 161.71,32.15 161.71,26.08 164.13,23.66 164.13,11.86 163.44,11.17 159.19,11.17 J2.3
ROW_4: length 187.9
  Top w0.25: D60.1 30.53,59.67 47.74,59.67 D52.1 49.59,59.67 66.78,59.67 D44.1 68.63,59.67 85.84,59.67 D35.1 87.69,59.67 104.88,59.67 D27.1 106.73,59.67 123.94,59.67 D18.1 125.78,59.67 142.98,59.67 D8.1 157.7,60.6 v1(158.35,59.95)
  Bottom w0.25: J2.4 159.07,13.83 159.07,30.79 166.47,38.19 166.47,51.83 v1(158.35,59.95)
ROW_5: length 306.3
  Top w0.25: D2.1 31.69,46.06 39.21,53.58 165.26,53.58 167.53,51.31 D12.1 168.46,40.62 185.66,40.62 D19.1 187.51,40.62 204.71,40.62 D28.1 206.56,40.62 223.76,40.62 D36.1 225.61,40.62 242.81,40.62 D45.1 243.73,49.12 248.19,53.58 261.38,53.58 262.8,52.17 262.8,50.88 262.78,50.86 D53.1
  Bottom w0.25: v1(168.48,40.7) 168.48,39.56 159.52,30.6 159.52,15.92 J2.5
ROW_6: length 363.7
  Top w0.25: D62.1 280.32,41.88 280.32,50.58 277.38,53.53 265.04,53.53 263.56,52.05 263.56,40.95 262.24,39.63 258.69,39.63 257.82,40.5 243.32,40.5 242.79,39.97 150.06,39.97 D13.1 147.56,40.62 130.36,40.62 D20.1 128.51,40.62 111.31,40.62 D29.1 109.46,40.62 92.26,40.62 D37.1 90.41,40.62 73.21,40.62 D46.1 71.36,40.62 54.16,40.62 D54.1
  Bottom w0.25: J2.6 166.73,11.25 171.13,11.25 171.73,11.85 171.73,13.33 172.84,14.43 178.26,14.43 179.34,13.36 179.34,11.88 170.7,3.24 136.33,3.24 121.1,18.47 v1(121.1,40.63)
ROW_7: length 116
  Top w0.25: D10.1 159.06,21.57 176.26,21.57 D21.1 178.11,21.57 195.31,21.57 D30.1 197.16,21.57 214.36,21.57 D38.1 216.21,21.57 231.12,21.57 D47.1 232.97,23.42 236.46,23.42 D55.1 ; v1(177.24,23.83) 177.24,22.55 ; D14.1 164.37,9.04 J2.7
  Bottom w0.25: J2.7 177.24,21.9 v1(177.24,23.83)
ROW_8: length 193.6
  Top w0.25: 168.04,21.12 241.34,21.12 D3.1 ; 168.04,21.12 170.47,18.69 J2.8 ; 168.04,21.12 140.46,21.12 D22.1 138.16,21.57 120.96,21.57 D31.1 119.11,21.57 101.91,21.57 D39.1 100.06,21.57 82.86,21.57 D48.1 81.01,21.57 63.81,21.57 D56.1
Net-(D1-A): length 378.8
  Top w0.25: 282.1,82.8 v1(282.16,82.73) 283.74,81.15 D1.2
  Bottom w0.25: 282.1,82.8 282.1,88.96 279.87,91.19 252.46,91.19 250.46,93.18 28.01,93.18 23.62,88.79 23.62,78.06 31.1,70.58 31.1,54.67 35.7,50.07 35.7,35.32 48.45,22.57 60.79,22.57 71.34,12.02 SWBrk2.2
Net-(D2-A): length 7
  Top w0.25: D2.2 28.39,43.65 SWCtl1.2
Net-(D3-A): length 248.3
  Top w0.25: SWLeftSft1.2 30.91,29.27 45.74,29.27 51.01,34.53 231.84,34.53 239.42,26.96 D3.2 244.04,27.12 264.51,27.12 SWRightSft1.2
Net-(D5-A): length 6.1
  Top w0.25: D5.2 150.01,83.95 SW7.2
Net-(D6-A): length 6.1
  Top w0.25: D6.2 130.96,83.95 SW6.2
Net-(D7-A): length 6.2
  Top w0.25: D7.2 159.66,64.78 SWU1.2
Net-(D8-A): length 6.2
  Top w0.25: D8.2 140.61,64.78 SWY1.2
Net-(D10-A): length 6.1
  Top w0.25: SWN1.2 154.83,26.74 D10.2
Net-(D12-A): length 6.1
  Top w0.25: D12.2 164.23,45.92 SWJ1.2
Net-(D13-A): length 6.1
  Top w0.25: 143.96,47.14 145.18,45.92 D13.2
Net-(D14-A): length 5.5
  Top w0.25: 143.96,9.04 D14.2
Net-(D15-A): length 6.1
  Top w0.25: SW8.2 169.06,83.95 D15.2
Net-(D16-A): length 6.1
  Top w0.25: SW5.2 111.91,83.95 D16.2
Net-(D17-A): length 6.2
  Top w0.25: SWI1.2 178.71,64.78 D17.2
Net-(D18-A): length 6.2
  Top w0.25: D18.2 121.56,64.78 SWT1.2
Net-(D19-A): length 6.1
  Top w0.25: 182.06,47.14 183.28,45.92 D19.2
Net-(D20-A): length 6.1
  Top w0.25: D20.2 126.13,45.92 SWG1.2
Net-(D21-A): length 6.1
  Top w0.25: SWM1.2 173.88,26.74 D21.2
Net-(D22-A): length 6.1
  Top w0.25: D22.2 135.78,26.74 SWB1.2
Net-(D24-A): length 6.1
  Top w0.25: SW9.2 188.11,83.95 D24.2
Net-(D25-A): length 6.1
  Top w0.25: SW4.2 92.86,83.95 D25.2
Net-(D26-A): length 6.2
  Top w0.25: D26.2 197.76,64.78 SWO1.2
Net-(D27-A): length 6.2
  Top w0.25: D27.2 102.51,64.78 SWR1.2
Net-(D28-A): length 6.1
  Top w0.25: D28.2 202.33,45.92 SWL1.2
Net-(D29-A): length 6.1
  Top w0.25: SWF1.2 107.08,45.92 D29.2
Net-(D30-A): length 6.1
  Top w0.25: SWComma1.2 192.93,26.74 D30.2
Net-(D31-A): length 6.1
  Top w0.25: SWV1.2 116.73,26.74 D31.2
Net-(D32-A): length 6.1
  Top w0.25: D32.2 207.16,83.95 SW0.2
Net-(D33-A): length 6.1
  Top w0.25: SW3.2 73.81,83.95 D33.2
Net-(D34-A): length 6.2
  Top w0.25: D34.2 216.81,64.78 SWP1.2
Net-(D35-A): length 6.2
  Top w0.25: D35.2 83.46,64.78 SWE1.2
Net-(D36-A): length 6.1
  Top w0.25: SWSemi1.2 221.38,45.92 D36.2
Net-(D37-A): length 6.1
  Top w0.25: D37.2 88.03,45.92 SWD1.2
Net-(D38-A): length 6.1
  Top w0.25: SWPeriod1.2 211.98,26.74 D38.2
Net-(D39-A): length 6.1
  Top w0.25: D39.2 97.68,26.74 SWC1.2
Net-(D41-A): length 6.1
  Top w0.25: D41.2 226.21,83.95 SWLT1.2
Net-(D42-A): length 6.1
  Top w0.25: SW2.2 54.76,83.95 D42.2
Net-(D43-A): length 6.2
  Top w0.25: D43.2 235.86,64.78 SWDash1.2
Net-(D44-A): length 6.2
  Top w0.25: SWW1.2 64.41,64.78 D44.2
Net-(D45-A): length 6.1
  Top w0.25: SWPlus1.2 240.43,45.92 D45.2
Net-(D46-A): length 6.1
  Top w0.25: SWS1.2 68.98,45.92 D46.2
Net-(D47-A): length 7
  Top w0.25: D47.2 228.75,24.76 SWSlash1.2
Net-(D48-A): length 6.1
  Top w0.25: SWX1.2 78.63,26.74 D48.2
Net-(D49-A): length 6.1
  Top w0.25: D49.2 245.26,83.95 SWGT1.2
Net-(D50-A): length 6.1
  Top w0.25: SW1.2 35.71,83.95 D50.2
Net-(D51-A): length 6.2
  Top w0.25: D51.2 254.91,64.78 SWEqual1.2
Net-(D52-A): length 6.2
  Top w0.25: SWQ1.2 45.36,64.78 D52.2
Net-(D53-A): length 6.1
  Top w0.25: 258.26,47.14 259.48,45.92 D53.2
Net-(D54-A): length 6.1
  Top w0.25: D54.2 49.93,45.92 SWA1.2
Net-(D55-A): length 122.9
  Top w0.25: v1(235.78,22.43) 235.71,22.5 D55.2 ; v1(253.28,33.5) 253.59,33.81 269.37,33.81 v1(277.31,25.86) 277.31,25.63
  Bottom w0.25: 277.31,25.63 277.31,22.1 275.12,19.91 225.46,19.91 219.8,14.25 219.8,11.27 217.59,9.06 SWAtari2.2 ; v1(253.28,33.5) 242.21,22.43 v1(235.78,22.43)
Net-(D56-A): length 6.1
  Top w0.25: SWZ1.2 59.58,26.74 D56.2
Net-(D57-A): length 14.6
  Top w0.25: D57.2 262.21,77.99 265.37,77.99 SWDel2.2
Net-(D58-A): length 6.1
  Top w0.25: SWEsc1.2 16.66,83.95 D58.2
Net-(D59-A): length 5.5
  Top w0.25: 277.2,66.19 277.2,60.68
Net-(D60-A): length 8.5
  Top w0.25: D60.2 25.73,60.6 SWTab1.2
Net-(D62-A): length 5.8
  Top w0.25: D62.2 277.31,42.18 SWCps1.2
Net-(R2-Pad1): length 2.3
  Top w0.25: R2.1 68.36,16.73
Net-(R3-Pad1): length 2.2
  Top w0.25: SWCtl1.3 21.85,56.61 R3.1
Net-(R4-Pad1): length 2.1
  Top w0.25: R4.1 26.75,35.84
Net-(R5-Pad1): length 9.6
  Top w0.25: SWRightSft1.3 260.89,37.17 256.97,37.17 R5.1
Net-(R6-Pad1): length 2.5
  Top w0.25: R6.1 269.58,92.93
Net-(R7-Pad1): length 2.1
  Top w0.25: R7.1 145.88,93.06
Net-(R8-Pad1): length 2.2
  Top w0.25: R8.1 126.7,92.93
Net-(R9-Pad1): length 2.2
  Top w0.25: R9.1 155.28,73.88
Net-(R10-Pad1): length 2.1
  Top w0.25: R10.1 136.23,73.88
Net-(R11-Pad1): length 2.9
  Top w0.25: R11.1 213.62,16.75
Net-(R12-Pad1): length 2
  Top w0.25: R12.1 150.7,35.97
Net-(R14-Pad1): length 2.1
  Top w0.25: R14.1 160.1,54.89
Net-(R15-Pad1): length 2.1
  Top w0.25: R15.1 141.05,54.89
Net-(R16-Pad1): length 2.1
  Top w0.25: R16.1 141.05,16.79
Net-(R17-Pad1): length 2.2
  Top w0.25: R17.1 164.8,92.93
Net-(R18-Pad1): length 2.2
  Top w0.25: R18.1 107.53,92.91
Net-(R19-Pad1): length 2.2
  Top w0.25: R19.1 174.33,73.88
Net-(R20-Pad1): length 2.1
  Top w0.25: R20.1 117.18,73.88
Net-(R21-Pad1): length 2.1
  Top w0.25: R21.1 179.15,54.89
Net-(R22-Pad1): length 2
  Top w0.25: R22.1 122,54.89
Net-(R23-Pad1): length 2.3
  Top w0.25: R23.1 169.5,35.72
Net-(R24-Pad1): length 2.3
  Top w0.25: R24.1 131.4,35.72
Net-(R25-Pad1): length 2.1
  Top w0.25: R25.1 183.98,93.06
Net-(R26-Pad1): length 2.2
  Top w0.25: R26.1 88.47,92.91
Net-(R27-Pad1): length 2.2
  Top w0.25: R27.1 193.38,73.88
Net-(R28-Pad1): length 2.2
  Top w0.25: R28.1 98,73.86
Net-(R29-Pad1): length 2.1
  Top w0.25: R29.1 198.2,54.89
Net-(R30-Pad1): length 2
  Top w0.25: R30.1 102.95,54.89
Net-(R31-Pad1): length 2
  Top w0.25: R31.1 188.68,35.84
Net-(R32-Pad1): length 2.3
  Top w0.25: R32.1 112.35,35.72
Net-(R33-Pad1): length 2.2
  Top w0.25: R33.1 202.78,92.91
Net-(R34-Pad1): length 2.1
  Top w0.25: R34.1 69.68,93.06
Net-(R35-Pad1): length 2.2
  Top w0.25: R35.1 212.43,73.88
Net-(R36-Pad1): length 2.2
  Top w0.25: R36.1 79.08,73.88
Net-(R37-Pad1): length 2.1
  Top w0.25: R37.1 217.25,54.89
Net-(R38-Pad1): length 2
  Top w0.25: R38.1 83.9,54.89
Net-(R39-Pad1): length 2.3
  Top w0.25: R39.1 207.6,35.72
Net-(R40-Pad1): length 2.3
  Top w0.25: R40.1 93.3,35.72
Net-(R42-Pad1): length 2.2
  Top w0.25: R42.1 221.95,92.93
Net-(R43-Pad1): length 2.2
  Top w0.25: R43.1 50.5,92.93
Net-(R44-Pad1): length 2.2
  Top w0.25: R44.1 231.48,73.88
Net-(R45-Pad1): length 2.2
  Top w0.25: R45.1 60.03,73.88
Net-(R46-Pad1): length 1.9
  Top w0.25: R46.1 236.3,54.89
Net-(R47-Pad1): length 2.3
  Top w0.25: R47.1 64.73,54.77
Net-(R48-Pad1): length 2.7
  Top w0.25: SWSlash1.3 229.02,36.88 R48.1
Net-(R49-Pad1): length 2.1
  Top w0.25: R49.1 74.38,35.84
Net-(R50-Pad1): length 2.2
  Top w0.25: R50.1 241,92.93
Net-(R51-Pad1): length 2.2
  Top w0.25: R51.1 31.45,92.93
Net-(R52-Pad1): length 2.2
  Top w0.25: R52.1 250.53,73.88
Net-(R53-Pad1): length 2.1
  Top w0.25: R53.1 40.98,73.88
Net-(R54-Pad1): length 2.1
  Top w0.25: R54.1 255.35,54.89
Net-(R55-Pad1): length 2.1
  Top w0.25: R55.1 45.8,54.89
Net-(R57-Pad1): length 2.1
  Top w0.25: R57.1 55.33,35.84
Net-(R60-Pad1): length 2.2
  Top w0.25: R60.1 12.27,92.91
Net-(R61-Pad1): length 3.6
  Top w0.25: SWRet1.3 275.77,75.31 R61.1
Net-(R62-Pad1): length 4.1
  Top w0.25: R62.1 19.52,76.23 SWTab1.3
Net-(R64-Pad1): length 2.3
  Top w0.25: R64.1 274.28,54.77

## Copper pours and planes (outline as drawn; the poured copper is in the pictures)
LED_GND on Top, Bottom: -2.71,102.38 292.56,102.38 292.56,-2.39 -2.71,-2.39

## Text on the board
B.Silkscreen: C7 | C8 | R4 | R3 | R2 | R6 | R8 | (R5,C9) | (R8,C9) | (R1,C9) | (R7,C2) | (R7,C7) | R1 | R5 | R7 | C9 | C1 | C2 | C3 | C4 | C5 | C6 | x | 5V | GND | (R3,C8) | Decent 800 Keyboard rev. 3M © Bertrand Le Roy 2025 / github.com/bleroy/3d-junkyard/tree/main/Decent800 / atariage.com/forums/profile/76850-screamingattheradio/ / twitch.tv/screamingattheradio / youtube.com/@ScreamingAtTheRadio | _ | \ | | | ^ | Return | Control | Space | Del | Caps | Break | ATARI | Esc | Clr | Shift | ! | Q | A | {dblquote} | Z | W | S | # | X | E | D | $ | C | R | F | % | V | T | G | & | B | Y | H | N | U | J | M | I | K | ( | [ | O | L | ) | ] | P | : | Clear | ? | Insert | 1 | 2 | 3 | 4 | 5 | 6 | 7 | 8 | 9 | 0 | Tab | , | . | ; | / | - | + | = | ' | @ | < | > | *
F.Silkscreen: Backlight | R1 | R2 | R3 | R4 | R5 | R6 | R7 | R8 | C9 | C1 | C2 | C3 | C4 | C5 | C6 | C7 | C8 | x | 5V | GND | Decent 800 Keyboard rev. 3M © Bertrand Le Roy 2025 / https://github.com/bleroy/3d-junkyard/tree/main/Decent800 / https://atariage.com/forums/profile/76850-screamingattheradio/ | Clr | Esc | ! | Q | A | {dblquote} | Z | W | S | # | X | E | D | $ | C | R | F | % | V | T | G | & | B | Y | H | N | U | J | M | I | K | ( | [ | O | L | ) | ] | P | : | Clear | ? | Insert | Shift | Control | 1 | 2 | Break | 3 | 4 | 5 | 6 | 7 | Space | 8 | 9 | 0 | ATARI | Del | Tab | , | . | ; | / | - | + | = | Set | _ | \ | | | Return | Caps | ' | @ | < | > | * | ^
